# Altium PCB STB_LightBoard.PcbDoc (part 7 of 31)
Units mm, origin at the board's own origin, x right, y up, seen from the top; angles counter-clockwise.
Board outline 348 x 348 mm, 2 copper layers (Top Layer, Bottom Layer), stack 1.672 mm thick; 3807 components, 3391 nets, 11616 pads, 2553 vias.
Unrouted connection lines stored in the file: 68.
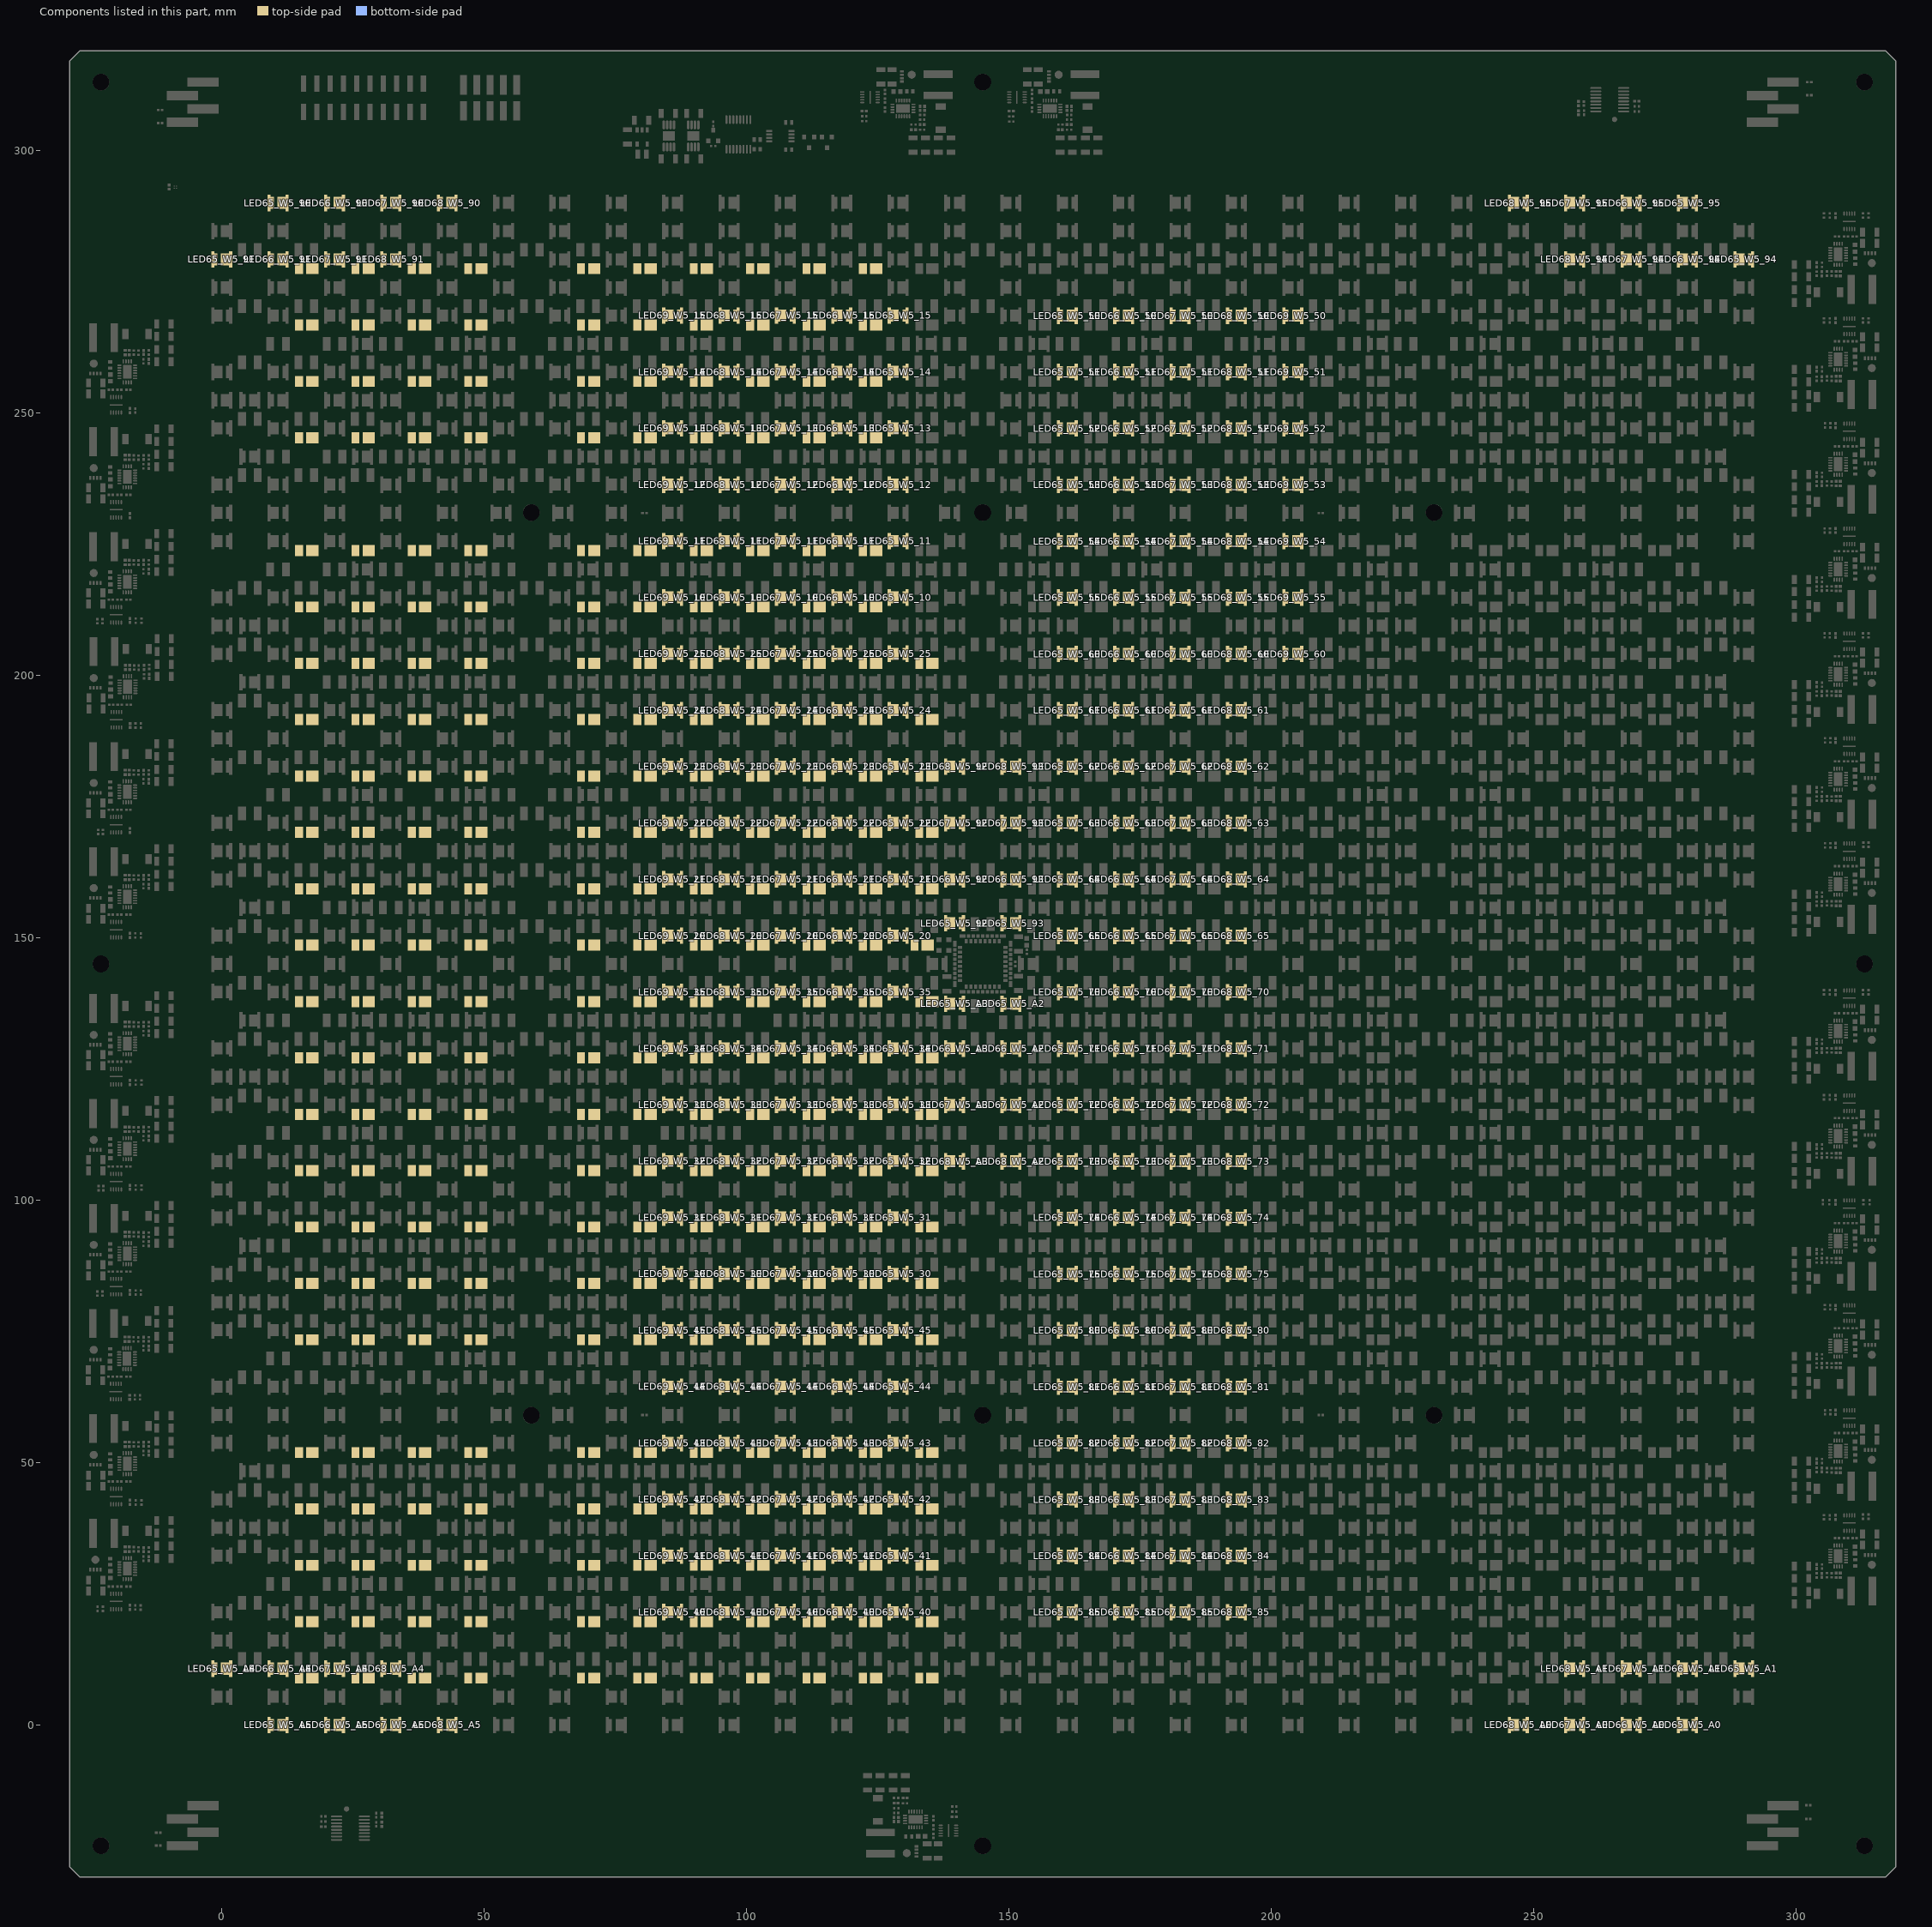
[diagram p7: the components of this part, seen from the top]

## Components (designator, comment, footprint, x,y, rotation, side; value= is the part's Value field where it differs from the comment) (continued)
LED54_IR740_20 "QBHP686-IR4D" QBHP686-IR4D 133.262,148.574 r0 top (schematic designator LED54)
LED54_IR740_21 "QBHP686-IR4D" QBHP686-IR4D 134.162,159.315 r0 top (schematic designator LED54)
LED54_IR740_22 "QBHP686-IR4D" QBHP686-IR4D 134.162,170.056 r0 top (schematic designator LED54)
LED54_IR740_23 "QBHP686-IR4D" QBHP686-IR4D 134.162,180.797 r0 top (schematic designator LED54)
LED54_IR740_24 "QBHP686-IR4D" QBHP686-IR4D 134.162,191.538 r0 top (schematic designator LED54)
LED54_IR740_25 "QBHP686-IR4D" QBHP686-IR4D 134.162,202.279 r0 top (schematic designator LED54)
LED54_IR740_30 "QBHP686-IR4D" QBHP686-IR4D 134.162,84.128 r0 top (schematic designator LED54)
LED54_IR740_31 "QBHP686-IR4D" QBHP686-IR4D 134.162,94.869 r0 top (schematic designator LED54)
LED54_IR740_32 "QBHP686-IR4D" QBHP686-IR4D 134.162,105.61 r0 top (schematic designator LED54)
LED54_IR740_33 "QBHP686-IR4D" QBHP686-IR4D 134.162,116.351 r0 top (schematic designator LED54)
LED54_IR740_34 "QBHP686-IR4D" QBHP686-IR4D 134.162,127.092 r0 top (schematic designator LED54)
LED54_IR740_35 "QBHP686-IR4D" QBHP686-IR4D 134.162,137.833 r0 top (schematic designator LED54)
LED54_IR740_40 "QBHP686-IR4D" QBHP686-IR4D 134.162,8.941 r0 top (schematic designator LED54)
LED54_IR740_41 "QBHP686-IR4D" QBHP686-IR4D 134.162,19.682 r0 top (schematic designator LED54)
LED54_IR740_42 "QBHP686-IR4D" QBHP686-IR4D 134.162,30.423 r0 top (schematic designator LED54)
LED54_IR740_43 "QBHP686-IR4D" QBHP686-IR4D 134.162,41.164 r0 top (schematic designator LED54)
LED54_IR740_44 "QBHP686-IR4D" QBHP686-IR4D 134.162,51.905 r0 top (schematic designator LED54)
LED54_IR740_45 "QBHP686-IR4D" QBHP686-IR4D 134.162,73.387 r0 top (schematic designator LED54)
LED55_IR740_10 "QBHP686-IR4D" QBHP686-IR4D 123.421,213.02 r0 top (schematic designator LED55)
LED55_IR740_11 "QBHP686-IR4D" QBHP686-IR4D 123.421,223.761 r0 top (schematic designator LED55)
LED55_IR740_12 "QBHP686-IR4D" QBHP686-IR4D 123.421,245.243 r0 top (schematic designator LED55)
LED55_IR740_13 "QBHP686-IR4D" QBHP686-IR4D 123.421,255.984 r0 top (schematic designator LED55)
LED55_IR740_14 "QBHP686-IR4D" QBHP686-IR4D 123.421,266.725 r0 top (schematic designator LED55)
LED55_IR740_15 "QBHP686-IR4D" QBHP686-IR4D 123.421,277.466 r0 top (schematic designator LED55)
LED55_IR740_20 "QBHP686-IR4D" QBHP686-IR4D 123.421,148.574 r0 top (schematic designator LED55)
LED55_IR740_21 "QBHP686-IR4D" QBHP686-IR4D 123.421,159.315 r0 top (schematic designator LED55)
LED55_IR740_22 "QBHP686-IR4D" QBHP686-IR4D 123.421,170.056 r0 top (schematic designator LED55)
LED55_IR740_23 "QBHP686-IR4D" QBHP686-IR4D 123.421,180.797 r0 top (schematic designator LED55)
LED55_IR740_24 "QBHP686-IR4D" QBHP686-IR4D 123.421,191.538 r0 top (schematic designator LED55)
LED55_IR740_25 "QBHP686-IR4D" QBHP686-IR4D 123.421,202.279 r0 top (schematic designator LED55)
LED55_IR740_30 "QBHP686-IR4D" QBHP686-IR4D 123.421,84.128 r0 top (schematic designator LED55)
LED55_IR740_31 "QBHP686-IR4D" QBHP686-IR4D 123.421,94.869 r0 top (schematic designator LED55)
LED55_IR740_32 "QBHP686-IR4D" QBHP686-IR4D 123.421,105.61 r0 top (schematic designator LED55)
LED55_IR740_33 "QBHP686-IR4D" QBHP686-IR4D 123.421,116.351 r0 top (schematic designator LED55)
LED55_IR740_34 "QBHP686-IR4D" QBHP686-IR4D 123.421,127.092 r0 top (schematic designator LED55)
LED55_IR740_35 "QBHP686-IR4D" QBHP686-IR4D 123.421,137.833 r0 top (schematic designator LED55)
LED55_IR740_40 "QBHP686-IR4D" QBHP686-IR4D 123.421,8.941 r0 top (schematic designator LED55)
LED55_IR740_41 "QBHP686-IR4D" QBHP686-IR4D 123.421,19.682 r0 top (schematic designator LED55)
LED55_IR740_42 "QBHP686-IR4D" QBHP686-IR4D 123.421,30.423 r0 top (schematic designator LED55)
LED55_IR740_43 "QBHP686-IR4D" QBHP686-IR4D 123.421,41.164 r0 top (schematic designator LED55)
LED55_IR740_44 "QBHP686-IR4D" QBHP686-IR4D 123.421,51.905 r0 top (schematic designator LED55)
LED55_IR740_45 "QBHP686-IR4D" QBHP686-IR4D 123.421,73.387 r0 top (schematic designator LED55)
LED56_IR740_10 "QBHP686-IR4D" QBHP686-IR4D 112.68,213.02 r0 top (schematic designator LED56)
LED56_IR740_11 "QBHP686-IR4D" QBHP686-IR4D 112.68,223.761 r0 top (schematic designator LED56)
LED56_IR740_12 "QBHP686-IR4D" QBHP686-IR4D 112.68,245.243 r0 top (schematic designator LED56)
LED56_IR740_13 "QBHP686-IR4D" QBHP686-IR4D 112.68,255.984 r0 top (schematic designator LED56)
LED56_IR740_14 "QBHP686-IR4D" QBHP686-IR4D 112.68,266.725 r0 top (schematic designator LED56)
LED56_IR740_15 "QBHP686-IR4D" QBHP686-IR4D 112.68,277.466 r0 top (schematic designator LED56)
LED56_IR740_20 "QBHP686-IR4D" QBHP686-IR4D 112.68,148.574 r0 top (schematic designator LED56)
LED56_IR740_21 "QBHP686-IR4D" QBHP686-IR4D 112.68,159.315 r0 top (schematic designator LED56)
LED56_IR740_22 "QBHP686-IR4D" QBHP686-IR4D 112.68,170.056 r0 top (schematic designator LED56)
LED56_IR740_23 "QBHP686-IR4D" QBHP686-IR4D 112.68,180.797 r0 top (schematic designator LED56)
LED56_IR740_24 "QBHP686-IR4D" QBHP686-IR4D 112.68,191.538 r0 top (schematic designator LED56)
LED56_IR740_25 "QBHP686-IR4D" QBHP686-IR4D 112.68,202.279 r0 top (schematic designator LED56)
LED56_IR740_30 "QBHP686-IR4D" QBHP686-IR4D 112.68,84.128 r0 top (schematic designator LED56)
LED56_IR740_31 "QBHP686-IR4D" QBHP686-IR4D 112.68,94.869 r0 top (schematic designator LED56)
LED56_IR740_32 "QBHP686-IR4D" QBHP686-IR4D 112.68,105.61 r0 top (schematic designator LED56)
LED56_IR740_33 "QBHP686-IR4D" QBHP686-IR4D 112.68,116.351 r0 top (schematic designator LED56)
LED56_IR740_34 "QBHP686-IR4D" QBHP686-IR4D 112.68,127.092 r0 top (schematic designator LED56)
LED56_IR740_35 "QBHP686-IR4D" QBHP686-IR4D 112.68,137.833 r0 top (schematic designator LED56)
LED56_IR740_40 "QBHP686-IR4D" QBHP686-IR4D 112.68,8.941 r0 top (schematic designator LED56)
LED56_IR740_41 "QBHP686-IR4D" QBHP686-IR4D 112.68,19.682 r0 top (schematic designator LED56)
LED56_IR740_42 "QBHP686-IR4D" QBHP686-IR4D 112.68,30.423 r0 top (schematic designator LED56)
LED56_IR740_43 "QBHP686-IR4D" QBHP686-IR4D 112.68,41.164 r0 top (schematic designator LED56)
LED56_IR740_44 "QBHP686-IR4D" QBHP686-IR4D 112.68,51.905 r0 top (schematic designator LED56)
LED56_IR740_45 "QBHP686-IR4D" QBHP686-IR4D 112.68,73.387 r0 top (schematic designator LED56)
LED57_IR740_10 "QBHP686-IR4D" QBHP686-IR4D 101.939,213.02 r0 top (schematic designator LED57)
LED57_IR740_11 "QBHP686-IR4D" QBHP686-IR4D 101.939,223.761 r0 top (schematic designator LED57)
LED57_IR740_12 "QBHP686-IR4D" QBHP686-IR4D 101.939,245.243 r0 top (schematic designator LED57)
LED57_IR740_13 "QBHP686-IR4D" QBHP686-IR4D 101.939,255.984 r0 top (schematic designator LED57)
LED57_IR740_14 "QBHP686-IR4D" QBHP686-IR4D 101.939,266.725 r0 top (schematic designator LED57)
LED57_IR740_15 "QBHP686-IR4D" QBHP686-IR4D 101.939,277.466 r0 top (schematic designator LED57)
LED57_IR740_20 "QBHP686-IR4D" QBHP686-IR4D 101.939,148.574 r0 top (schematic designator LED57)
LED57_IR740_21 "QBHP686-IR4D" QBHP686-IR4D 101.939,159.315 r0 top (schematic designator LED57)
LED57_IR740_22 "QBHP686-IR4D" QBHP686-IR4D 101.939,170.056 r0 top (schematic designator LED57)
LED57_IR740_23 "QBHP686-IR4D" QBHP686-IR4D 101.939,180.797 r0 top (schematic designator LED57)
LED57_IR740_24 "QBHP686-IR4D" QBHP686-IR4D 101.939,191.538 r0 top (schematic designator LED57)
LED57_IR740_25 "QBHP686-IR4D" QBHP686-IR4D 101.939,202.279 r0 top (schematic designator LED57)
LED57_IR740_30 "QBHP686-IR4D" QBHP686-IR4D 101.939,84.128 r0 top (schematic designator LED57)
LED57_IR740_31 "QBHP686-IR4D" QBHP686-IR4D 101.939,94.869 r0 top (schematic designator LED57)
LED57_IR740_32 "QBHP686-IR4D" QBHP686-IR4D 101.939,105.61 r0 top (schematic designator LED57)
LED57_IR740_33 "QBHP686-IR4D" QBHP686-IR4D 101.939,116.351 r0 top (schematic designator LED57)
LED57_IR740_34 "QBHP686-IR4D" QBHP686-IR4D 101.939,127.092 r0 top (schematic designator LED57)
LED57_IR740_35 "QBHP686-IR4D" QBHP686-IR4D 101.939,137.833 r0 top (schematic designator LED57)
LED57_IR740_40 "QBHP686-IR4D" QBHP686-IR4D 101.939,8.941 r0 top (schematic designator LED57)
LED57_IR740_41 "QBHP686-IR4D" QBHP686-IR4D 101.939,19.682 r0 top (schematic designator LED57)
LED57_IR740_42 "QBHP686-IR4D" QBHP686-IR4D 101.939,30.423 r0 top (schematic designator LED57)
LED57_IR740_43 "QBHP686-IR4D" QBHP686-IR4D 101.939,41.164 r0 top (schematic designator LED57)
LED57_IR740_44 "QBHP686-IR4D" QBHP686-IR4D 101.939,51.905 r0 top (schematic designator LED57)
LED57_IR740_45 "QBHP686-IR4D" QBHP686-IR4D 101.939,73.387 r0 top (schematic designator LED57)
LED58_IR740_10 "QBHP686-IR4D" QBHP686-IR4D 91.198,213.02 r0 top (schematic designator LED58)
LED58_IR740_11 "QBHP686-IR4D" QBHP686-IR4D 91.198,223.761 r0 top (schematic designator LED58)
LED58_IR740_12 "QBHP686-IR4D" QBHP686-IR4D 91.198,245.243 r0 top (schematic designator LED58)
LED58_IR740_13 "QBHP686-IR4D" QBHP686-IR4D 91.198,255.984 r0 top (schematic designator LED58)
LED58_IR740_14 "QBHP686-IR4D" QBHP686-IR4D 91.198,266.725 r0 top (schematic designator LED58)
LED58_IR740_15 "QBHP686-IR4D" QBHP686-IR4D 91.198,277.466 r0 top (schematic designator LED58)
LED58_IR740_20 "QBHP686-IR4D" QBHP686-IR4D 91.198,148.574 r0 top (schematic designator LED58)
LED58_IR740_21 "QBHP686-IR4D" QBHP686-IR4D 91.198,159.315 r0 top (schematic designator LED58)
LED58_IR740_22 "QBHP686-IR4D" QBHP686-IR4D 91.198,170.056 r0 top (schematic designator LED58)
LED58_IR740_23 "QBHP686-IR4D" QBHP686-IR4D 91.198,180.797 r0 top (schematic designator LED58)
LED58_IR740_24 "QBHP686-IR4D" QBHP686-IR4D 91.198,191.538 r0 top (schematic designator LED58)
LED58_IR740_25 "QBHP686-IR4D" QBHP686-IR4D 91.198,202.279 r0 top (schematic designator LED58)
LED58_IR740_30 "QBHP686-IR4D" QBHP686-IR4D 91.198,84.128 r0 top (schematic designator LED58)
LED58_IR740_31 "QBHP686-IR4D" QBHP686-IR4D 91.198,94.869 r0 top (schematic designator LED58)
LED58_IR740_32 "QBHP686-IR4D" QBHP686-IR4D 91.198,105.61 r0 top (schematic designator LED58)
LED58_IR740_33 "QBHP686-IR4D" QBHP686-IR4D 91.198,116.351 r0 top (schematic designator LED58)
LED58_IR740_34 "QBHP686-IR4D" QBHP686-IR4D 91.198,127.092 r0 top (schematic designator LED58)
LED58_IR740_35 "QBHP686-IR4D" QBHP686-IR4D 91.198,137.833 r0 top (schematic designator LED58)
LED58_IR740_40 "QBHP686-IR4D" QBHP686-IR4D 91.198,8.941 r0 top (schematic designator LED58)
LED58_IR740_41 "QBHP686-IR4D" QBHP686-IR4D 91.198,19.682 r0 top (schematic designator LED58)
LED58_IR740_42 "QBHP686-IR4D" QBHP686-IR4D 91.198,30.423 r0 top (schematic designator LED58)
LED58_IR740_43 "QBHP686-IR4D" QBHP686-IR4D 91.198,41.164 r0 top (schematic designator LED58)
LED58_IR740_44 "QBHP686-IR4D" QBHP686-IR4D 91.198,51.905 r0 top (schematic designator LED58)
LED58_IR740_45 "QBHP686-IR4D" QBHP686-IR4D 91.198,73.387 r0 top (schematic designator LED58)
LED59_IR740_10 "QBHP686-IR4D" QBHP686-IR4D 80.457,213.02 r0 top (schematic designator LED59)
LED59_IR740_11 "QBHP686-IR4D" QBHP686-IR4D 80.457,223.761 r0 top (schematic designator LED59)
LED59_IR740_12 "QBHP686-IR4D" QBHP686-IR4D 80.457,245.243 r0 top (schematic designator LED59)
LED59_IR740_13 "QBHP686-IR4D" QBHP686-IR4D 80.457,255.984 r0 top (schematic designator LED59)
LED59_IR740_14 "QBHP686-IR4D" QBHP686-IR4D 80.457,266.725 r0 top (schematic designator LED59)
LED59_IR740_15 "QBHP686-IR4D" QBHP686-IR4D 80.457,277.466 r0 top (schematic designator LED59)
LED59_IR740_20 "QBHP686-IR4D" QBHP686-IR4D 80.457,148.574 r0 top (schematic designator LED59)
LED59_IR740_21 "QBHP686-IR4D" QBHP686-IR4D 80.457,159.315 r0 top (schematic designator LED59)
LED59_IR740_22 "QBHP686-IR4D" QBHP686-IR4D 80.457,170.056 r0 top (schematic designator LED59)
LED59_IR740_23 "QBHP686-IR4D" QBHP686-IR4D 80.457,180.797 r0 top (schematic designator LED59)
LED59_IR740_24 "QBHP686-IR4D" QBHP686-IR4D 80.457,191.538 r0 top (schematic designator LED59)
LED59_IR740_25 "QBHP686-IR4D" QBHP686-IR4D 80.457,202.279 r0 top (schematic designator LED59)
LED59_IR740_30 "QBHP686-IR4D" QBHP686-IR4D 80.457,84.128 r0 top (schematic designator LED59)
LED59_IR740_31 "QBHP686-IR4D" QBHP686-IR4D 80.457,94.869 r0 top (schematic designator LED59)
LED59_IR740_32 "QBHP686-IR4D" QBHP686-IR4D 80.457,105.61 r0 top (schematic designator LED59)
LED59_IR740_33 "QBHP686-IR4D" QBHP686-IR4D 80.457,116.351 r0 top (schematic designator LED59)
LED59_IR740_34 "QBHP686-IR4D" QBHP686-IR4D 80.457,127.092 r0 top (schematic designator LED59)
LED59_IR740_35 "QBHP686-IR4D" QBHP686-IR4D 80.457,137.833 r0 top (schematic designator LED59)
LED59_IR740_40 "QBHP686-IR4D" QBHP686-IR4D 80.457,8.941 r0 top (schematic designator LED59)
LED59_IR740_41 "QBHP686-IR4D" QBHP686-IR4D 80.457,19.682 r0 top (schematic designator LED59)
LED59_IR740_42 "QBHP686-IR4D" QBHP686-IR4D 80.457,30.423 r0 top (schematic designator LED59)
LED59_IR740_43 "QBHP686-IR4D" QBHP686-IR4D 80.457,41.164 r0 top (schematic designator LED59)
LED59_IR740_44 "QBHP686-IR4D" QBHP686-IR4D 80.457,51.905 r0 top (schematic designator LED59)
LED59_IR740_45 "QBHP686-IR4D" QBHP686-IR4D 80.457,73.387 r0 top (schematic designator LED59)
LED60_IR740_10 "QBHP686-IR4D" QBHP686-IR4D 69.716,213.02 r0 top (schematic designator LED60)
LED60_IR740_11 "QBHP686-IR4D" QBHP686-IR4D 69.716,223.761 r0 top (schematic designator LED60)
LED60_IR740_12 "QBHP686-IR4D" QBHP686-IR4D 69.716,245.243 r0 top (schematic designator LED60)
LED60_IR740_13 "QBHP686-IR4D" QBHP686-IR4D 69.716,255.984 r0 top (schematic designator LED60)
LED60_IR740_14 "QBHP686-IR4D" QBHP686-IR4D 69.716,266.725 r0 top (schematic designator LED60)
LED60_IR740_15 "QBHP686-IR4D" QBHP686-IR4D 69.716,277.466 r0 top (schematic designator LED60)
LED60_IR740_20 "QBHP686-IR4D" QBHP686-IR4D 69.716,148.574 r0 top (schematic designator LED60)
LED60_IR740_21 "QBHP686-IR4D" QBHP686-IR4D 69.716,159.315 r0 top (schematic designator LED60)
LED60_IR740_22 "QBHP686-IR4D" QBHP686-IR4D 69.716,170.056 r0 top (schematic designator LED60)
LED60_IR740_23 "QBHP686-IR4D" QBHP686-IR4D 69.716,180.797 r0 top (schematic designator LED60)
LED60_IR740_24 "QBHP686-IR4D" QBHP686-IR4D 69.716,191.538 r0 top (schematic designator LED60)
LED60_IR740_25 "QBHP686-IR4D" QBHP686-IR4D 69.716,202.279 r0 top (schematic designator LED60)
LED60_IR740_30 "QBHP686-IR4D" QBHP686-IR4D 69.716,84.128 r0 top (schematic designator LED60)
LED60_IR740_31 "QBHP686-IR4D" QBHP686-IR4D 69.716,94.869 r0 top (schematic designator LED60)
LED60_IR740_32 "QBHP686-IR4D" QBHP686-IR4D 69.716,105.61 r0 top (schematic designator LED60)
LED60_IR740_33 "QBHP686-IR4D" QBHP686-IR4D 69.716,116.351 r0 top (schematic designator LED60)
LED60_IR740_34 "QBHP686-IR4D" QBHP686-IR4D 69.716,127.092 r0 top (schematic designator LED60)
LED60_IR740_35 "QBHP686-IR4D" QBHP686-IR4D 69.716,137.833 r0 top (schematic designator LED60)
LED60_IR740_40 "QBHP686-IR4D" QBHP686-IR4D 69.716,8.941 r0 top (schematic designator LED60)
LED60_IR740_41 "QBHP686-IR4D" QBHP686-IR4D 69.716,19.682 r0 top (schematic designator LED60)
LED60_IR740_42 "QBHP686-IR4D" QBHP686-IR4D 69.716,30.423 r0 top (schematic designator LED60)
LED60_IR740_43 "QBHP686-IR4D" QBHP686-IR4D 69.716,41.164 r0 top (schematic designator LED60)
LED60_IR740_44 "QBHP686-IR4D" QBHP686-IR4D 69.716,51.905 r0 top (schematic designator LED60)
LED60_IR740_45 "QBHP686-IR4D" QBHP686-IR4D 69.716,73.387 r0 top (schematic designator LED60)
LED61_IR740_10 "QBHP686-IR4D" QBHP686-IR4D 48.234,213.02 r0 top (schematic designator LED61)
LED61_IR740_11 "QBHP686-IR4D" QBHP686-IR4D 48.234,223.761 r0 top (schematic designator LED61)
LED61_IR740_12 "QBHP686-IR4D" QBHP686-IR4D 48.234,245.243 r0 top (schematic designator LED61)
LED61_IR740_13 "QBHP686-IR4D" QBHP686-IR4D 48.234,255.984 r0 top (schematic designator LED61)
LED61_IR740_14 "QBHP686-IR4D" QBHP686-IR4D 48.234,266.725 r0 top (schematic designator LED61)
LED61_IR740_15 "QBHP686-IR4D" QBHP686-IR4D 48.234,277.466 r0 top (schematic designator LED61)
LED61_IR740_20 "QBHP686-IR4D" QBHP686-IR4D 48.234,148.574 r0 top (schematic designator LED61)
LED61_IR740_21 "QBHP686-IR4D" QBHP686-IR4D 48.234,159.315 r0 top (schematic designator LED61)
LED61_IR740_22 "QBHP686-IR4D" QBHP686-IR4D 48.234,170.056 r0 top (schematic designator LED61)
LED61_IR740_23 "QBHP686-IR4D" QBHP686-IR4D 48.234,180.797 r0 top (schematic designator LED61)
LED61_IR740_24 "QBHP686-IR4D" QBHP686-IR4D 48.234,191.538 r0 top (schematic designator LED61)
LED61_IR740_25 "QBHP686-IR4D" QBHP686-IR4D 48.234,202.279 r0 top (schematic designator LED61)
LED61_IR740_30 "QBHP686-IR4D" QBHP686-IR4D 48.234,84.128 r0 top (schematic designator LED61)
LED61_IR740_31 "QBHP686-IR4D" QBHP686-IR4D 48.234,94.869 r0 top (schematic designator LED61)
LED61_IR740_32 "QBHP686-IR4D" QBHP686-IR4D 48.234,105.61 r0 top (schematic designator LED61)
LED61_IR740_33 "QBHP686-IR4D" QBHP686-IR4D 48.234,116.351 r0 top (schematic designator LED61)
LED61_IR740_34 "QBHP686-IR4D" QBHP686-IR4D 48.234,127.092 r0 top (schematic designator LED61)
LED61_IR740_35 "QBHP686-IR4D" QBHP686-IR4D 48.234,137.833 r0 top (schematic designator LED61)
LED61_IR740_40 "QBHP686-IR4D" QBHP686-IR4D 48.234,8.941 r0 top (schematic designator LED61)
LED61_IR740_41 "QBHP686-IR4D" QBHP686-IR4D 48.234,19.682 r0 top (schematic designator LED61)
LED61_IR740_42 "QBHP686-IR4D" QBHP686-IR4D 48.234,30.423 r0 top (schematic designator LED61)
LED61_IR740_43 "QBHP686-IR4D" QBHP686-IR4D 48.234,41.164 r0 top (schematic designator LED61)
LED61_IR740_44 "QBHP686-IR4D" QBHP686-IR4D 48.234,51.905 r0 top (schematic designator LED61)
LED61_IR740_45 "QBHP686-IR4D" QBHP686-IR4D 48.234,73.387 r0 top (schematic designator LED61)
LED62_IR740_10 "QBHP686-IR4D" QBHP686-IR4D 37.493,213.02 r0 top (schematic designator LED62)
LED62_IR740_11 "QBHP686-IR4D" QBHP686-IR4D 37.493,223.761 r0 top (schematic designator LED62)
LED62_IR740_12 "QBHP686-IR4D" QBHP686-IR4D 37.493,245.243 r0 top (schematic designator LED62)
LED62_IR740_13 "QBHP686-IR4D" QBHP686-IR4D 37.493,255.984 r0 top (schematic designator LED62)
LED62_IR740_14 "QBHP686-IR4D" QBHP686-IR4D 37.493,266.725 r0 top (schematic designator LED62)
LED62_IR740_15 "QBHP686-IR4D" QBHP686-IR4D 37.493,277.466 r0 top (schematic designator LED62)
LED62_IR740_20 "QBHP686-IR4D" QBHP686-IR4D 37.493,148.574 r0 top (schematic designator LED62)
LED62_IR740_21 "QBHP686-IR4D" QBHP686-IR4D 37.493,159.315 r0 top (schematic designator LED62)
LED62_IR740_22 "QBHP686-IR4D" QBHP686-IR4D 37.493,170.056 r0 top (schematic designator LED62)
LED62_IR740_23 "QBHP686-IR4D" QBHP686-IR4D 37.493,180.797 r0 top (schematic designator LED62)
LED62_IR740_24 "QBHP686-IR4D" QBHP686-IR4D 37.493,191.538 r0 top (schematic designator LED62)
LED62_IR740_25 "QBHP686-IR4D" QBHP686-IR4D 37.493,202.279 r0 top (schematic designator LED62)
LED62_IR740_30 "QBHP686-IR4D" QBHP686-IR4D 37.493,84.128 r0 top (schematic designator LED62)
LED62_IR740_31 "QBHP686-IR4D" QBHP686-IR4D 37.493,94.869 r0 top (schematic designator LED62)
LED62_IR740_32 "QBHP686-IR4D" QBHP686-IR4D 37.493,105.61 r0 top (schematic designator LED62)
LED62_IR740_33 "QBHP686-IR4D" QBHP686-IR4D 37.493,116.351 r0 top (schematic designator LED62)
LED62_IR740_34 "QBHP686-IR4D" QBHP686-IR4D 37.493,127.092 r0 top (schematic designator LED62)
LED62_IR740_35 "QBHP686-IR4D" QBHP686-IR4D 37.493,137.833 r0 top (schematic designator LED62)
LED62_IR740_40 "QBHP686-IR4D" QBHP686-IR4D 37.493,8.941 r0 top (schematic designator LED62)
LED62_IR740_41 "QBHP686-IR4D" QBHP686-IR4D 37.493,19.682 r0 top (schematic designator LED62)
LED62_IR740_42 "QBHP686-IR4D" QBHP686-IR4D 37.493,30.423 r0 top (schematic designator LED62)
LED62_IR740_43 "QBHP686-IR4D" QBHP686-IR4D 37.493,41.164 r0 top (schematic designator LED62)
LED62_IR740_44 "QBHP686-IR4D" QBHP686-IR4D 37.493,51.905 r0 top (schematic designator LED62)
LED62_IR740_45 "QBHP686-IR4D" QBHP686-IR4D 37.493,73.387 r0 top (schematic designator LED62)
LED63_IR740_10 "QBHP686-IR4D" QBHP686-IR4D 26.752,213.02 r0 top (schematic designator LED63)
LED63_IR740_11 "QBHP686-IR4D" QBHP686-IR4D 26.752,223.761 r0 top (schematic designator LED63)
LED63_IR740_12 "QBHP686-IR4D" QBHP686-IR4D 26.752,245.243 r0 top (schematic designator LED63)
LED63_IR740_13 "QBHP686-IR4D" QBHP686-IR4D 26.752,255.984 r0 top (schematic designator LED63)
LED63_IR740_14 "QBHP686-IR4D" QBHP686-IR4D 26.752,266.725 r0 top (schematic designator LED63)
LED63_IR740_15 "QBHP686-IR4D" QBHP686-IR4D 26.752,277.466 r0 top (schematic designator LED63)